# Allegro board pc065a_toplevel_43_allrouted.brd (continued)
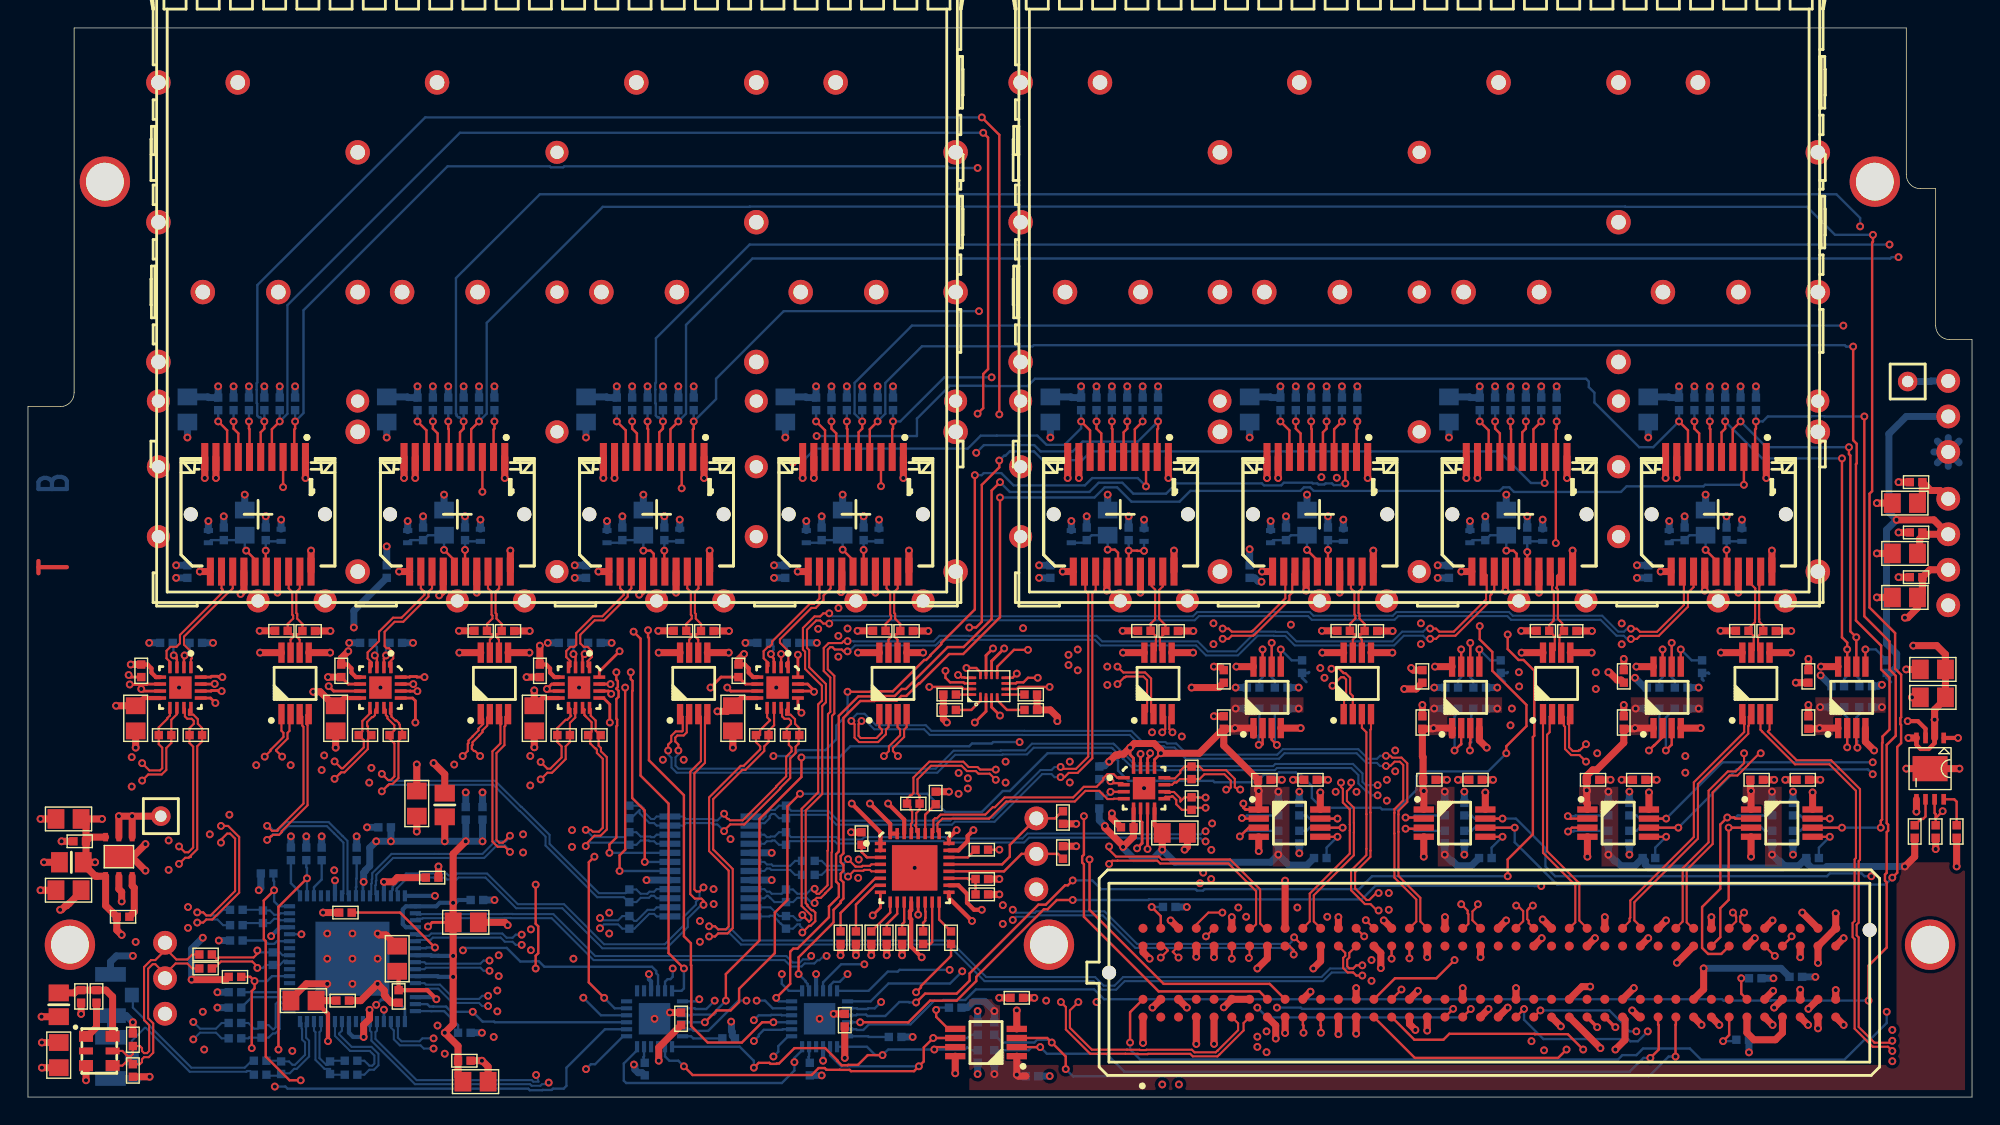
[diagram p0: board, top side]
## Routing (per net, layer and track width the routed paths; a pad name or vN(x,y) marks a point on that pad's centre or on a via; arc(x,y) is an arc through that point) (continued)
CLK_IN_P<1>: length 89.9
  TOP w0.15: v1(86.08,9.9) 86.08,10.8
  L3 w0.15: v1(87.9,3.59) 87.47,3.59 87.26,3.8 85.86,3.8 85.27,4.39 83.81,4.39 83.75,4.45 83.32,4.45 83.26,4.39 79.04,4.39 79.01,4.42 72.99,4.42 72.96,4.39 72.94,4.39 72.81,4.52 72.39,4.52 72.26,4.39 65.61,4.39 65.26,4.74 63.92,4.74 63.69,4.97 60.73,4.97 60.7,4.94 60.64,4.94 60.24,4.54 60.2,4.54 59.77,4.11 53.44,4.11 53.37,4.18 53.16,4.18 52.83,4.5 52.23,4.5 52.2,4.53 44.64,4.53 44.25,4.91 38.77,4.91 38.72,4.86 33.43,4.86 33.05,5.24 32.26,5.24 32.22,5.2 32.14,5.2 32.09,5.15 31.45,5.15 31.1,5.5 29.63,5.5 29.5,5.63 29.07,5.63 28.94,5.5 26.8,5.5 26.5,5.2 20.64,5.2 20.04,4.6 12.29,4.6 v1(11.82,4.13)
  L4 w0.15: v1(87.9,3.59) 87.47,3.59 87.26,3.8 86.84,3.8 86.51,4.13 86.51,9.47 v1(86.08,9.9)
  BOTTOM w0.15: v1(11.82,4.13) 12.3,4.61 13.44,4.61 13.85,4.2 C23.2
CLK_IN_P<2>: length 88.1
  TOP w0.15: v1(84.2,21.43) 83.72,21.43 83.7,21.45 R98.2 82.7,21.45 82.39,21.14 82.39,21.38 81.94,21.83 81.7,21.83 81.65,21.78 81.32,21.78 IC13.10 ; v1(12.1,12.48) 12.53,12.48 12.75,12.71 13.18,12.71 15.1,14.62 15.1,18.61 14.31,19.4 v1(13.8,19.4)
  L3 w0.15: v1(84.2,21.43) 83.72,21.43 83.5,21.21 72.87,21.21 72.65,21.44 72.55,21.44 72.53,21.46 71.79,21.46 71.74,21.41 71.56,21.41 71.01,20.86 62.12,20.86 61.72,20.46 54.18,20.46 53.52,21.12 49.42,21.12 48.72,20.42 24.64,20.42 24.61,20.45 16.92,20.45 15.51,19.04 13.95,19.04 13.8,19.19 v1(13.8,19.4)
  BOTTOM w0.15: v1(12.1,12.48) 12.53,12.48 12.75,12.71 13.54,12.71 13.95,12.3 C25.2
CLK_IN_P<3>: length 6.4
  BOTTOM w0.15: C27.2 24.05,2.6 24.41,2.25 24.62,2.25 24.77,2.39 24.77,2.97 24.44,3.3 23.03,3.3 21.95,4.38 IC3.59
CLK_INTR_B: length 40.4
  L4 w0.17: v1(17.65,0.75) 19.55,2.65 v1(19.55,11.65)
  BOTTOM w0.17: IC3.12 v1(19.55,11.65) ; v1(17.65,0.75) 18.41,0.75 18.56,0.6 35.77,0.6 35.88,0.49 36.77,0.49 36.79,0.51 37.45,0.51 37.54,0.6 38.3,0.6 38.5,0.8 38.5,2.1 41.25,4.85 IC23.2
CLK_LOL_B: length 15.6
  BOTTOM w0.17: IC23.3 33.38,5.35 33.33,5.4 32.5,5.4 v1(31.8,6.1) 30.27,6.1 29.89,6.48 28.98,6.48 28.98,6.48 28.72,6.48 28.55,6.65 IC3.47
CLK_MAIN_N<0>: length 20.8
  TOP w0.15: v1(17.1,18.4) 17.36,18.66 17.41,18.66 17.51,18.76 17.94,18.76 18.14,18.96 18.14,19.03 19.99,20.88 19.99,26.61 19.91,26.7 19.91,27.32 19.98,27.4 U3.4
  BOTTOM w0.15: v1(17.1,18.4) 17.5,18.8 18.01,18.8 18.6,19.39 21.38,19.39 21.89,18.87 22.55,18.21 22.55,14.56 22.45,14.45 IC3.23
CLK_MAIN_N<1>: length 23.3
  TOP w0.15: 34.33,27.4 34.14,27.21 34.14,26.58 34.07,26.51 34.07,25.18 33.5,24.61 33.5,18.4 33.7,18.2 33.96,18.2 v1(34.46,18.7)
  BOTTOM w0.15: IC3.27 24.55,14.5 24.55,15.26 24.59,15.3 24.59,15.58 24.61,15.61 24.61,16.03 25.99,17.4 29.04,17.4 29.39,17.4 32.5,17.4 33.39,18.29 34.15,18.29 34.3,18.44 34.3,18.54 v1(34.46,18.7)
CLK_MAIN_N<2>: length 41.7
  TOP w0.15: v1(48.3,15) 48.01,14.71 47.8,14.71 47.65,14.86 47.65,23.16 48.41,23.92 48.41,27.18 48.58,27.35 U5.4
  BOTTOM w0.15: v1(48.3,15) 48.02,14.72 48.02,14.24 47.76,13.98 47.76,13.77 46.88,12.9 46.88,12.29 45.54,10.94 41.19,10.94 38.32,13.8 35.02,13.8 32.83,15.99 30.66,15.99 30.52,15.86 30.08,15.86 29.95,15.98 29.14,15.98 29.13,15.99 27.03,15.99 26.27,15.23 26.27,15.23 26.07,15.03 26.07,14.9 26.07,14.9 26.07,14.8 25.95,14.69 IC3.30
CLK_MAIN_N<3>: length 55.3
  TOP w0.15: v1(62.2,24.4) 61.84,24.76 61.84,24.97 62.65,25.77 62.65,26.29 62.83,26.47 U6.4
  L4 w0.15: v1(56,10.1) 56.5,10.6 56.5,12.42 56.82,12.74 56.82,24.26 58.77,26.21 60.89,26.21 61.81,25.29 61.81,24.79 v1(62.2,24.4)
  BOTTOM w0.15: IC3.34 27.8,13.05 28.08,13.05 28.11,13.09 33.95,13.09 33.97,13.11 34.63,13.11 34.65,13.09 37.56,13.09 40.56,10.09 54.22,10.09 54.68,9.63 55.19,9.63 55.41,9.85 55.85,9.85 56,10 v1(56,10.1)
CLK_MAIN_N<4>: length 72
  TOP w0.15: 81.78,27.4 81.78,27.35 81.61,27.18 81.61,26.33 v1(81.83,26.1)
  L3 w0.15: v1(35.3,11.62) 35.58,11.62 35.72,11.48 38.65,11.48 39.54,10.6 47.82,10.6 47.83,10.59 48.26,10.59 48.26,10.6 55.2,10.6 56.15,11.55 70.34,11.55 72.03,13.25 72.05,13.25 72.2,13.4 76.63,13.4 79.13,15.9 83.64,15.9 83.75,16.02 83.99,16.02 v1(84.03,16.06)
  L4 w0.15: v1(81.83,26.1) 81.83,25.67 81.62,25.46 81.62,25.15 81.83,24.94 81.83,24.38 83.5,22.7 83.5,18.07 83.53,18.04 83.53,17.36 83.5,17.33 83.5,16.57 83.68,16.4 83.69,16.4 v1(84.03,16.06)
  BOTTOM w0.15: IC3.37 27.82,11.54 28.66,11.54 28.83,11.7 33.92,11.7 34.22,11.4 34.65,11.4 34.87,11.62 v1(35.3,11.62)
CLK_MAIN_N<5>: length 88
  TOP w0.15: U9.4 96.03,26.33 95.98,26.29 95.98,20.36 95.99,20.36 95.99,17.64 95.98,17.64 95.98,17.19 94.89,16.09 94.89,14.92 95.71,14.1 95.9,14.1 96.4,14.6 v1(96.57,14.6)
  L3 w0.15: v1(96.57,14.6) 96.2,14.6 91.62,10.03 91.56,10.03 91.08,9.54 91.08,9.48 90.72,9.12 90.72,8.89 90.41,8.59 89.98,8.59 89.35,7.95 78.35,7.95 78.33,7.97 68.25,7.97 67.77,8.46 59.56,8.46 59.35,8.26 35.84,8.26 34.6,9.5 33.55,9.5 33.28,9.77 v1(33,9.77)
  BOTTOM w0.15: v1(33,9.77) 32.57,9.77 32.35,9.54 28.45,9.54 28.35,9.65 IC3.41
CLK_MAIN_N<6>: length 111.1
  TOP w0.15: v1(111.4,25.25) 110.96,24.81 110.89,24.81 110.84,24.76 110.45,24.76 110.19,25.02 110.19,26.61 110.11,26.7 110.11,27.18 110.28,27.35 110.28,27.4
  L3 w0.15: v1(107.5,4) 107.5,3.52 107.35,3.37 107.14,3.37 105.03,5.47 100.49,5.47 100.39,5.58 99.7,5.58 99.64,5.52 99.54,5.62 98.86,5.62 98.71,5.47 92.81,5.47 92.4,5.89 83.65,5.89 83.2,5.44 73.2,5.44 73.2,5.45 65.87,5.45 65.65,5.67 65.53,5.67 65.48,5.72 64.72,5.72 64.24,6.21 60.66,6.21 60.31,6.56 59.58,6.56 59.37,6.76 57.95,6.76 57.94,6.78 57.26,6.78 57.25,6.76 55.96,6.76 55.57,6.37 50.43,6.37 50.42,6.36 47.77,6.36 47.75,6.34 47.19,6.34 46.79,6.75 46.79,6.79 46.59,6.98 46.52,6.98 46.49,6.96 41.82,6.96 41.42,6.56 38.84,6.56 38.44,6.96 33.46,6.96 33.18,7.24 v1(32.9,7.24)
  L4 w0.15: v1(111.4,25.25) 110.86,24.71 110.59,24.71 109.1,23.22 109.1,5.73 108.22,4.85 108.22,4.69 108.09,4.55 108.09,4.1 107.99,4 v1(107.5,4)
  BOTTOM w0.15: v1(32.9,7.24) 32.47,7.24 32.25,7.02 30.48,7.02 29.45,8.04 28.45,8.04 28.35,8.15 IC3.44
CLK_MAIN_N<7>: length 140
  TOP w0.15: U7.4 124.53,26.29 124.4,26.16 126.46,24.1 128.93,24.1 129.47,23.56 129.48,23.56 129.48,23.55 129.48,23.54 130.99,22.04 130.99,16.98 130.9,16.89 130.9,12.48 130.75,12.33 130.75,11.57 130.9,11.42 130.9,5.01 132.02,3.89 133.12,3.89 133.14,3.87 v1(133.3,4.03)
  L3 w0.15: v1(29,4.2) 29.19,4.01 31.73,4.01 31.98,3.76 45.58,3.76 45.78,3.56 51.63,3.56 51.69,3.5 52.12,3.5 52.18,3.56 52.79,3.56 52.96,3.73 60.06,3.73 60.26,3.92 62.9,3.92 63.04,3.79 63.55,3.79 64.53,2.81 65.77,2.81 65.96,3 71.94,3 72.11,2.83 74.54,2.83 74.81,2.56 87.04,2.56 87.44,2.16 110.11,2.16 110.16,2.21 130.27,2.21 131.97,3.91 133.19,3.91 v1(133.3,4.03)
  BOTTOM w0.15: IC3.50 26.45,4.25 26.71,3.99 27.99,3.99 28.2,4.2 v1(29,4.2)
CLK_MAIN_N<8>: length 72.3
  TOP w0.15: v1(82.27,9.98) 81.85,10.39 82.27,10.8
  L3 w0.15: v1(82.29,0.9) 82.29,0.91 81.54,1.67 81.41,1.67 81.23,1.85 79.01,1.85 78.19,1.04 74.31,1.04 74.24,0.96 73.81,0.96 73.79,0.99 72.84,0.99 72.79,1.04 38.12,1.04 37.63,1.52 37.48,1.52 37.45,1.55 37.04,1.55 37.03,1.55 36.36,1.55 v1(36.33,1.58)
  L4 w0.15: v1(82.27,9.98) 82.18,9.98 81.88,9.68 81.88,1.31 v1(82.29,0.9)
  BOTTOM w0.15: IC3.53 24.95,4.75 24.84,4.65 24.84,4.16 27.79,1.21 36.02,1.21 36.13,1.1 36.5,1.1 36.39,1.55 v1(36.33,1.58)
CLK_MAIN_P<0>: length 20.8
  TOP w0.15: v1(17.1,19.4) 17.45,19.05 17.82,19.05 17.85,19.08 17.85,19.15 19.7,21 19.7,26.49 19.61,26.58 19.61,27.21 U3.3
  BOTTOM w0.15: v1(17.1,19.4) 17.24,19.4 17.38,19.26 17.38,19.24 17.53,19.09 17.89,19.09 18.48,19.68 21.5,19.68 22.18,18.99 22.84,18.33 22.84,14.51 IC3.24
CLK_MAIN_P<1>: length 23.3
  TOP w0.15: v1(34.46,17.54) 34.09,17.91 34.08,17.91 33.58,17.91 33.21,18.28 33.21,24.73 33.78,25.3 33.78,26.63 33.84,26.7 33.84,27.2 33.67,27.37 U4.3
  BOTTOM w0.15: IC3.28 24.84,14.52 24.84,15.14 24.88,15.18 24.88,15.46 24.91,15.49 24.91,15.91 26.11,17.11 29.04,17.11 29.39,17.11 32.62,17.11 33.51,18 34.1,18 34.46,17.64 v1(34.46,17.54)
CLK_MAIN_P<2>: length 41.4
  TOP w0.15: 47.92,27.4 48.12,27.21 48.12,24.04 47.36,23.28 47.36,14.52 47.68,14.2 48.15,14.2 48.3,14.05 v1(48.3,13.75)
  BOTTOM w0.15: v1(48.3,13.75) 48.15,13.75 47.17,12.78 47.17,12.16 45.66,10.65 41.07,10.65 38.2,13.51 34.9,13.51 32.71,15.7 30.78,15.7 30.64,15.57 29.96,15.57 29.83,15.7 29.02,15.7 29.01,15.7 27.15,15.7 26.39,14.94 26.39,14.94 26.36,14.91 26.36,14.78 26.36,14.78 26.36,14.72 26.45,14.63 IC3.31
CLK_MAIN_P<3>: length 55.4
  TOP w0.15: v1(61.2,24.4) 61.55,24.76 61.55,25.09 62.35,25.89 62.35,26.29 62.17,26.47 U6.3
  L4 w0.15: v1(61.2,24.4) 61.5,24.7 61.5,25.16 60.76,25.9 58.9,25.9 57.13,24.13 57.13,12.61 56.81,12.29 56.81,10.39 v1(57.1,10.1)
  BOTTOM w0.15: v1(57.1,10.1) 56.9,10.1 56.59,9.79 56.45,9.79 56.22,9.56 55.53,9.56 55.31,9.34 54.56,9.34 54.1,9.8 40.44,9.8 37.44,12.8 34.53,12.8 34.51,12.82 34.09,12.82 34.07,12.8 28.23,12.8 28.2,12.77 27.82,12.77 IC3.35
CLK_MAIN_P<4>: length 72.6
  TOP w0.15: U10.3 81.31,27.21 81.31,26.31 v1(81.1,26.1)
  L3 w0.15: v1(35.3,10.89) 35.58,10.89 35.87,11.18 38.52,11.18 39.41,10.29 47.69,10.29 47.7,10.28 48.38,10.28 48.39,10.29 55.33,10.29 56.28,11.24 70.47,11.24 72.16,12.94 72.17,12.94 72.33,13.09 76.76,13.09 79.26,15.59 83.51,15.59 v1(83.8,15.3)
  L4 w0.15: v1(83.8,15.3) 83.19,15.91 83.19,17.46 83.22,17.49 83.22,17.91 83.19,17.94 83.19,22.57 81.52,24.25 81.52,24.81 81.31,25.02 81.31,25.46 81.1,25.67 v1(81.1,26.1)
  BOTTOM w0.15: v1(35.3,10.89) 34.87,10.89 34.65,11.11 34.1,11.11 33.8,11.41 28.95,11.41 28.78,11.25 28.11,11.25 28.1,11.24 28.09,11.24 28.08,11.25 27.8,11.25 IC3.38
CLK_MAIN_P<5>: length 88.3
  TOP w0.15: v1(96.57,13.35) 96.45,13.35 95.99,13.81 95.59,13.81 94.6,14.8 94.6,16.21 95.69,17.31 95.69,17.76 95.7,17.76 95.7,20.24 95.69,20.24 95.69,26.11 95.38,26.43 U9.3
  L3 w0.15: v1(96.57,13.35) 96.47,13.45 95.49,13.45 91.75,9.71 91.69,9.71 91.39,9.41 91.39,9.35 91.03,8.99 91.03,8.76 90.54,8.28 90.11,8.28 89.48,7.64 78.22,7.64 78.2,7.66 68.12,7.66 67.64,8.15 59.68,8.15 59.48,7.95 35.72,7.95 34.47,9.19 33.44,9.19 33.28,9.04 v1(33,9.04)
  BOTTOM w0.15: IC3.42 28.35,9.15 28.45,9.26 32.35,9.26 32.57,9.04 v1(33,9.04)
CLK_MAIN_P<6>: length 111.7
  TOP w0.15: U8.3 109.81,27.21 109.81,26.58 109.9,26.49 109.9,24.9 110.33,24.47 110.93,24.47 v1(111.4,24)
  L3 w0.15: v1(32.9,6.51) 33.04,6.65 38.31,6.65 38.71,6.25 41.55,6.25 41.95,6.65 46.45,6.65 47.07,6.03 47.88,6.03 47.89,6.05 50.55,6.05 50.56,6.06 55.7,6.06 56.09,6.45 57.38,6.45 57.39,6.47 57.81,6.47 57.82,6.45 59.24,6.45 59.45,6.25 60.18,6.25 60.53,5.9 64.11,5.9 64.6,5.41 65.35,5.41 65.4,5.36 65.52,5.36 65.74,5.14 73.07,5.14 73.07,5.13 83.33,5.13 83.78,5.58 92.27,5.58 92.68,5.16 98.84,5.16 98.99,5.32 99.41,5.32 99.56,5.16 99.73,5.16 99.83,5.27 100.26,5.27 100.36,5.16 104.91,5.16 107.12,2.95 107.48,2.95 107.53,2.9 107.95,2.9 v1(108.4,3.35)
  L4 w0.15: v1(111.4,24) 111,24.4 110.72,24.4 109.41,23.09 109.41,5.6 108.53,4.72 108.53,4.56 108.4,4.43 v1(108.4,3.35)
  BOTTOM w0.15: IC3.45 28.35,7.65 28.45,7.76 29.33,7.76 30.36,6.73 32.25,6.73 32.47,6.51 v1(32.9,6.51)
CLK_MAIN_P<7>: length 141.3
  TOP w0.15: U7.3 123.88,26.29 123.99,26.17 123.99,26.16 126.34,23.81 128.81,23.81 130.7,21.92 130.7,17.1 130.61,17.01 130.61,12.6 130.46,12.45 130.46,11.45 130.61,11.3 130.61,4.89 131.9,3.6 133,3.6 v1(133.3,3.29)
  L3 w0.15: v1(133.3,3.29) 133,3.6 132.1,3.6 130.4,1.9 110.29,1.9 110.24,1.85 87.31,1.85 86.92,2.25 74.68,2.25 74.41,2.52 71.98,2.52 71.81,2.69 66.09,2.69 65.9,2.5 64.4,2.5 63.42,3.48 62.91,3.48 62.77,3.61 60.39,3.61 60.19,3.42 53.09,3.42 52.92,3.25 52.31,3.25 52.28,3.22 52.28,3.22 52.25,3.19 51.56,3.19 51.53,3.22 51.51,3.22 51.49,3.25 45.65,3.25 45.45,3.45 31.85,3.45 31.6,3.7 29.23,3.7 v1(29,3.47)
  BOTTOM w0.15: IC3.51 25.95,4.97 26.16,4.76 26.16,4.13 26.59,3.7 28.07,3.7 28.3,3.47 v1(29,3.47)
CLK_MAIN_P<8>: length 71.5
  TOP w0.15: v1(81,9.98) 81.48,10.47 81.48,10.51 81.19,10.8 81,10.8
  L3 w0.15: v1(81.1,0.9) 81.1,1.39 80.95,1.54 79.14,1.54 78.32,0.72 74.44,0.72 74.37,0.65 73.68,0.65 73.66,0.68 72.71,0.68 72.66,0.72 37.54,0.72 v1(37.23,1.03)
  L4 w0.15: v1(81,9.98) 81.32,9.98 81.57,9.73 81.57,1.37 v1(81.1,0.9)
  BOTTOM w0.15: IC3.54 24.45,4.75 24.55,4.65 24.55,4.03 27.67,0.92 35.9,0.92 36.01,0.81 36.64,0.81 36.75,0.92 37.16,0.92 v1(37.23,1.03)
CLK_RST_B: length 38
  TOP w0.17: v1(16,3.5) 16,7.58 16.2,7.78 v1(16.2,8.3) 15.9,8.6 R9.2
  L3 w0.17: v1(39.9,2) 39.55,2.35 39.44,2.35 39.38,2.4 36.72,2.4 36.69,2.44 35.98,2.44 35.94,2.4 34.67,2.4 33.92,1.66 19.79,1.66 19.72,1.72 19.28,1.72 19.21,1.66 17.35,1.66 16,3.01 v1(16,3.5)
  BOTTOM w0.17: v1(16.2,8.3) 17.1,8.3 17.45,8.65 IC3.6 ; IC23.1 42.55,4.35 40.55,2.35 40.25,2.35 v1(39.9,2)
CLK_SI_N<0>: length 5.7
  BOTTOM w0.15: IC3.64 19.57,5.29 19.57,4.9 19.6,4.87 19.6,4.12 19.81,3.91 19.81,3.02 19.1,2.31 18.91,2.31 18.66,2.55 R13.2 18.05,2.6 C22.1
CLK_SI_N<1>: length 5.8
  BOTTOM w0.15: C24.1 15.75,5.3 16.16,4.9 16.45,4.9 R14.2 17.2,5.15 17.51,4.85 17.56,4.85 17.71,5 17.71,6.66 17.86,6.81 18.07,6.81 18.32,6.56 18.61,6.56 IC3.2
CLK_SI_N<2>: length 3.5
  BOTTOM w0.15: IC3.15 18.05,13.15 17.95,13.04 17.61,13.04 17.3,13.35 R15.2 16.75,13.4 C26.1
CLK_SI_N<3>: length 5.5
  BOTTOM w0.15: IC3.62 20.45,4.75 20.55,4.65 20.55,2.66 21.2,2.02 21.6,2.02 R16.2 21.65,1.6 C28.1
CLK_SI_P<0>: length 6.3
  BOTTOM w0.15: C21.1 17.12,1.53 17.98,1.53 R13.1 18.15,1.7 18.71,1.7 19.03,2.02 19.22,2.02 20.1,2.9 20.1,4.03 19.89,4.24 19.89,4.99 19.86,5.02 19.86,5.31 IC3.63
CLK_SI_P<1>: length 5.5
  BOTTOM w0.15: C23.1 15.75,4.2 15.82,4.26 15.83,4.25 R14.1 17.2,4.25 17.51,4.56 17.68,4.56 18,4.87 18,6.47 18.2,6.27 18.59,6.27 IC3.1
CLK_SI_P<2>: length 3.6
  BOTTOM w0.15: C25.1 15.5,12.45 R15.1 17.3,12.45 17.61,12.76 17.95,12.76 18.05,12.65 IC3.14
CLK_SI_P<3>: length 4.8
  BOTTOM w0.15: IC3.61 20.95,4.75 20.84,4.65 20.84,2.78 21.32,2.3 21.42,2.3 21.57,2.46 21.57,2.52 R16.1 21.65,2.6 C27.1
FMC_LA_N<2>: length 98.7
  TOP w0.15: v1(18.17,24.36) 17.74,24.79 17.74,24.82 18.56,25.64 18.56,26.06 18.7,26.2 18.7,27.33 U3.2 ; v1(77.3,17.93) 77.3,17.7 77.79,17.2 80.87,17.2 81.07,17 85.96,17 88.1,14.86 88.1,12.42 88.44,12.08 J10.H8
  L3 w0.15: v1(74.4,30.92) 73.97,30.92 73.76,31.13 67.4,31.13 67.31,31.22 66.89,31.22 66.8,31.13 65.06,31.13 64.66,30.72 58.99,30.72 58.94,30.67 58.09,30.67 58.06,30.64 57.37,30.64 57.29,30.72 54.33,30.72 54.19,30.58 53.51,30.58 53.37,30.72 44.97,30.72 44.57,31.12 42.69,31.12 42.64,31.08 41.96,31.08 41.91,31.12 40.96,31.12 40.71,30.88 37.69,30.88 37.44,31.12 36.38,31.12 36.21,30.95 35.5,30.95 35.33,31.12 31.7,31.12 31.24,30.66 27.44,30.66 27.39,30.71 20.81,30.71 17.78,27.68 17.78,24.75 v1(18.17,24.36)
  L4 w0.15: v1(77.3,17.93) 77.3,17.73 77.1,17.53 76.75,17.53 76.37,17.92 76.37,20.73 76.6,20.96 76.6,27.3 73.32,30.58 73.32,30.98 73.47,31.13 73.76,31.13 73.97,30.92 v1(74.4,30.92)
FMC_LA_N<3>: length 102
  TOP w0.15: IC4.9 10.15,27.3 9.96,27.11 9.96,27.06 9.35,26.45 R61.1 9.35,25.25 9.6,25 9.6,23.53 9.44,23.37 8.68,23.37 v1(8.16,23.89) ; v1(90.53,11.43) 91.16,10.8
  L3 w0.15: v1(67.2,22.81) 66.92,22.81 66.71,22.6 66.27,22.6 66.07,22.8 49.7,22.8 48.04,21.14 32.8,21.14 32.76,21.1 16.61,21.1 14.31,23.4 8.65,23.4 v1(8.16,23.89)
  L4 w0.15: v1(67.2,22.81) 67.63,22.81 67.84,22.6 68.24,22.6 68.91,21.93 68.91,13.86 69.03,13.74 69.03,13.68 69.49,13.22 70.2,13.22 70.21,13.23 70.23,13.23 v1(70.41,13.4)
  BOTTOM w0.15: v1(90.53,11.43) 90.5,11.43 90.35,11.28 90.35,11.11 90.2,10.96 79.3,10.96 76.97,13.29 72.1,13.29 72,13.19 70.63,13.19 70.51,13.31 70.51,13.31 v1(70.41,13.4)
FMC_LA_N<4>: length 84.7
  TOP w0.15: 33.02,27.4 32.89,27.26 32.89,27.2 32.84,27.15 32.84,26.58 32.5,26.24 32.5,26.11 32.26,25.88 32.26,25.86 31.79,25.39 31.79,25.2 31.74,25.15 31.74,24.91 31.89,24.76 31.97,24.76 v1(32.33,24.4) ; v1(94.61,22.5) 94.61,22.19 94.31,21.89 94.31,21.2 94.8,20.7 94.8,19.61 94.81,19.61 94.81,18.94 94.8,18.94 94.8,17.3 91.94,14.44 91.94,12.57 J10.H11
  L3 w0.15: v1(94.61,22.5) 94.61,22.93 94.4,23.14 94.4,23.54 94.07,23.87 93.73,23.87 93.31,24.29 87.59,24.29 87.47,24.4 85.1,24.4 82.58,26.92 79.72,26.92 78.78,25.98 73.39,25.98 72.22,24.83 69.56,24.83 69.53,24.8 68.1,24.8 67.7,24.4 66.58,24.4 65.98,23.8 55.53,23.8 55.51,23.79 48.98,23.79 47.7,22.5 37.9,22.5 37.18,21.78 33.87,21.78 31.93,23.72 31.93,24 v1(32.33,24.4)
FMC_LA_N<6>: length 26.6
  TOP w0.17: v1(92.45,4.6) 92.45,5.12 92.42,5.14 92.42,5.73 ; v1(86.8,19.97) 86.84,19.93 IC12.2
  L3 w0.17: v1(87.1,12.9) v1(92.9,12.9)
  L4 w0.17: v1(92.45,4.6) 92.45,5.09 92.55,5.2 92.55,12.55 v1(92.9,12.9) ; v1(86.8,19.97) 86.8,19.3 87.1,19 87.1,18.94 87.18,18.87 87.18,18.43 87.1,18.35 v1(87.1,12.9)
  BOTTOM w0.17: v1(86.8,19.97) 86.97,19.97 87.15,20.15 R137.1
FMC_LA_N<7>: length 71.3
  TOP w0.15: v1(46.5,24.79) 46.5,25.22 46.28,25.44 46.28,25.72 46.43,25.87 46.88,25.87 47.1,26.09 47.1,27.23 U5.2 ; J10.H14 v1(95.66,12.66)
  L4 w0.15: v1(96.5,22.32) 96.78,22.32 97,22.1 97.44,22.1 97.98,21.55 97.98,20.87 97.89,20.78 97.89,19.05 96.7,17.86 96.7,16.7 95.19,15.19 95.19,14.29 94.83,13.93 94.83,12.44 94.98,12.29 95.22,12.29 v1(95.66,12.66)
  BOTTOM w0.15: v1(46.5,24.79) 46.5,24.51 46.3,24.31 46.3,23.7 46.5,23.5 64.9,23.5 66.18,24.78 69.54,24.78 69.57,24.8 71.31,24.8 71.78,25.29 77.61,25.29 77.67,25.23 77.68,25.23 78.42,24.48 78.45,24.48 79.26,23.68 89.03,23.68 89.18,23.84 94.74,23.84 95.42,23.16 95.42,22.56 95.65,22.32 v1(96.5,22.32)
FMC_LA_N<8>: length 72.3
  TOP w0.15: 94.97,10.8 94.47,10.32 94.47,9.98 94.32,9.83 94.32,9.35 94.47,9.2 94.76,9.2 94.98,9.42 v1(95.4,9.42) ; IC7.9 52.85,27.18 53.06,26.97 53.06,26.97 52.35,26.26 52.35,25.9 R73.1 52.05,25.4 52.35,25.09 52.35,24.88 51.17,23.7 50.96,23.7 48.7,21.44 48.7,17.6 50.1,16.2 50.1,12.2 49.9,12 49.35,12 49.13,12.22 v1(48.7,12.22)
  BOTTOM w0.15: v1(48.7,12.22) 49.13,12.22 49.35,12 50.3,12 51.1,11.2 65.9,11.2 68.51,8.59 76.3,8.59 76.92,7.97 77.68,7.97 78.3,8.59 92.48,8.59 93.1,9.2 94.75,9.2 94.98,9.42 v1(95.4,9.42)
FMC_LA_N<9>: length 25
  TOP w0.17: v1(102,24.8) 102.47,25.27 ; 102.47,25.27 102.47,25.23 ; 102.47,25.27 IC18.2 ; J10.D15 v1(98.2,7.7)
  L4 w0.17: v1(102,24.8) 100.4,23.2 100.4,10.39 100.57,10.22 100.57,9.79 100.4,9.62 100.4,9.5 98.94,8.04 98.55,8.04 v1(98.2,7.7)
  BOTTOM w0.17: v1(102,24.8) 102,27.24 102.25,27.49 R162.1
FMC_LA_N<10>: length 36.7
  TOP w0.17: 97.5,5.73 99.13,4.1 101.2,4.1 101.63,4.53 107.72,4.53 107.74,4.5 110.1,4.5 v1(111.2,3.4) ; v1(110.1,20.1) 110.28,19.93 IC15.2
  L4 w0.17: v1(111.2,3.4) 110.83,3.77 110.83,8.01 110.95,8.13 110.95,19.25 v1(110.1,20.1)
  BOTTOM w0.17: R147.1 110.65,20.15 110.6,20.1 v1(110.1,20.1)
FMC_LA_N<11>: length 60.3
  TOP w0.15: U6.2 61.52,26.47 61.34,26.29 61.34,25.96 60.78,25.4 59.42,25.4 59.1,25.72 59.1,26.68 v1(58.87,26.91) ; v1(97.1,24.42) 97.41,24.42 97.54,24.29 98.21,24.29 98.62,23.88 98.62,21.11 97.99,20.48 97.99,20.22 97.98,20.21 97.98,18.99 97.99,18.98 97.99,15.82 99.56,14.26 99.56,12.57 J10.H17
  BOTTOM w0.15: v1(97.1,24.42) 96.67,24.42 96.45,24.2 95.81,24.2 95.12,24.89 89.72,24.89 89.33,24.5 82.9,24.5 82.1,25.3 81.44,25.3 81.33,25.41 80.57,25.41 80.57,25.41 79.69,25.41 78.9,26.2 71.24,26.2 71.23,26.2 64.59,26.2 64.19,26.61 60.63,26.61 59.81,27.42 59.28,27.42 58.87,27.02 v1(58.87,26.91)
FMC_LA_N<12>: length 15.6
  TOP w0.17: v1(98.5,20) 99.72,20 IC14.2 ; 98.78,10.8 v1(98.78,9.93)
  L4 w0.17: v1(98.5,20) 99.12,19.38 99.12,10.27 v1(98.78,9.93)
  BOTTOM w0.17: R142.1 99.14,20.15 98.99,20 v1(98.5,20)
FMC_LA_N<14>: length 40
  TOP w0.17: 88.28,25.27 88.2,25.2 v1(88,25.2) ; 88.28,25.27 88.28,26.4 ; 88.28,25.27 88.28,25.23 ; J10.C19 v1(103.16,6.3)
  L4 w0.17: v1(88,25.2) 88.53,24.68 88.53,7.03 v1(87.9,6.4)
  BOTTOM w0.17: v1(103.16,6.3) 102.56,5.7 88.6,5.7 v1(87.9,6.4) ; v1(88,25.2) 88,25.86 88.05,25.91 R157.1
FMC_LA_N<15>: length 53.8
  TOP w0.15: v1(77.9,30.8) 78.32,30.38 79.87,30.38 80.31,29.95 80.31,27.57 U10.2 ; v1(103.67,13.8) 103.67,13.67 103.28,13.28 103.28,12.65 103.86,12.08
  L3 w0.15: v1(106.1,27.8) 106.1,27.5 105.86,27.26 103.35,27.26 103.31,27.27 100.31,27.27 100.29,27.29 99.21,27.29 98.09,28.41 93.29,28.41 91.46,30.23 78.46,30.23 v1(77.9,30.8)
  L4 w0.15: v1(106.1,27.8) 106.4,27.5 106.4,27.39 107.21,26.58 107.21,23.61 105.05,21.45 105.05,21.45 104.76,21.16 104.76,16.35 103.3,14.89 103.3,14.17 v1(103.67,13.8)
FMC_LA_N<18>: length 36.2
  TOP w0.17: v1(115.9,24.8) 116.27,25.17 116.29,25.17 116.88,25.75 IC19.2 ; v1(108.14,6.2) J10.C23
  L4 w0.17: v1(115,4.7) 115,5.19 118.53,8.72 118.53,20.48 117.1,21.9 117.1,23.6 v1(115.9,24.8)
  BOTTOM w0.17: v1(115.9,24.8) 116.65,25.55 R167.1 ; v1(115,4.7) 114.51,4.7 114.05,5.16 114.05,5.23 113.73,5.55 113.72,5.55 113.07,6.2 v1(108.14,6.2)
FMC_LA_N<19>: length 38.5
  TOP w0.15: 107.67,12.08 107.3,12.44 107.3,12.62 107.2,12.73 107.2,13.36 107.3,13.46 107.3,13.5 107.5,13.7 v1(107.6,13.7) ; U9.2 94.72,28.7 94.53,28.89 94.53,30 94.21,30.33 94.09,30.33 94.04,30.38 94.02,30.38 93.75,30.65 v1(93.2,30.65)
  L3 w0.15: v1(106.6,30.4) 106.04,30.4 106.03,30.4 100.93,30.4 100.81,30.29 100.39,30.29 100.27,30.4 99.47,30.4 99.15,30.09 93.62,30.09 93.21,30.46 v1(93.2,30.65)
  L4 w0.15: v1(107.6,13.7) 107.3,13.7 107.14,13.86 107.14,22.14 107.88,22.88 107.88,29.68 107.4,30.16 107.4,30.16 107.16,30.4 v1(106.6,30.4)
FMC_LA_N<21>: length 16.7
  TOP w0.15: U8.2 108.8,27.23 108.8,26.11 108.61,25.93 108.61,17.6 110.92,15.29 110.92,12.63 111.47,12.08
FMC_LA_N<24>: length 19
  TOP w0.15: U7.2 123.03,27.21 123.03,26.58 123,26.54 123,26 119.4,22.4 119.4,18.49 114.86,13.95 114.86,12.64 115.28,12.21 115.28,12.08
FMC_LA_N<27>: length 75.8
  TOP w0.17: v1(70.7,30.3) 70.4,30 IC21.8
  TOP w0.254: J10.C27 113.47,5 v1(113.5,5)
  L3 w0.17: v1(70.7,30.3) 71.76,30.3 71.98,30.52 72.42,30.52 72.54,30.4 72.93,30.01 75.28,30.01 76,30.73 76,31.6 77.1,32.7 80.9,32.7 81.1,32.5 83.93,32.5 84.54,31.88 87.11,31.88 87.5,31.5 91.3,31.5 92.4,32.6 98.66,32.6 99.38,31.88 100.09,31.88 101.23,33.02 105.13,33.02 105.58,32.58 109.92,32.58 v1(112.1,30.39)
  L4 w0.2: v1(113.5,5) 113.12,5.38 113.12,5.62 114.25,6.75 114.25,14.99 112.4,16.84 112.4,23.36 113.22,24.18 113.22,29.42 112.47,30.16 112.33,30.16 v1(112.1,30.39)
FMC_LA_N<28>: length 128.5
  TOP w0.15: v1(21.92,24.02) 22.41,23.53 22.52,23.53 24.01,25.02 24.01,25.54 R65.1 23.91,26.16 23.91,26.91 24.48,27.48 24.52,27.48 24.52,27.58 24.46,27.63 24.46,27.64 24.45,27.65 IC5.9 ; 119.09,12.08 119.03,12.08 118.6,12.5 118.6,16.25 120.45,18.11 120.45,21.8 121.66,23.01 122.23,23.01 122.99,23.77 122.99,23.79 123.8,24.6 v1(123.89,24.6)
  L3 w0.15: v1(123.89,24.6) 123.29,25.2 123.29,25.62 122.96,25.95 119.91,25.95 119.82,25.86 119.38,25.86 119.29,25.95 116.52,25.95 116.36,25.79 113.41,25.79 112.89,26.3 109.97,26.3 109.52,25.85 104.88,25.85 104.63,26.1 101.96,26.1 101.67,25.81 99.29,25.81 97.82,27.29 86.13,27.29 86.12,27.3 85.91,27.3 85.13,28.08 85.12,28.08 84.75,28.45 47.55,28.45 47.1,28 27,28 22.57,23.57 22.37,23.57 v1(21.92,24.02)
FMC_LA_N<30>: length 107.8
  TOP w0.15: v1(122.7,13.2) 122.43,12.93 122.43,12.55 122.91,12.08 ; IC6.9 38.71,27.85 38.79,27.77 38.79,27.33 38.84,27.28 38.56,27 38.45,27 37.85,26.4 R69.1 37.85,25.4 38.16,25.09 38.16,24.3 37.35,23.5 37.14,23.5 v1(36.66,23.97)
  L3 w0.15: v1(118.5,24.4) 118.25,24.15 118.04,24.15 117.95,24.06 112.26,24.06 111.5,23.3 110.33,23.3 109.63,24 102.65,24 102.4,24.25 99.55,24.25 97.92,25.88 90.79,25.88 90.65,26.02 88.35,26.02 88.34,26.02 86.65,26.02 86.51,25.88 86.09,25.88 85.95,26.02 84.97,26.02 83.28,27.72 73.95,27.72 73.94,27.73 73.26,27.73 71.83,26.3 68.43,26.3 67.83,25.7 54.1,25.7 53.77,26.03 53.58,26.03 49.15,26.08 44.58,26.08 42.09,23.59 37.05,23.59 v1(36.66,23.97)
  L4 w0.15: v1(118.5,24.4) 118.86,24.04 119.13,24.04 119.16,24.01 120.17,24.01 122.45,21.73 122.45,13.87 122.7,13.63 v1(122.7,13.2)
FMC_LA_N<31>: length 17.4
  TOP w0.17: 121.64,10.8 121.07,10.24 120.13,10.24 119.7,10.67 119.7,13.6 121,14.9 121,19.5 v1(121.5,20) 121.99,20 122.07,19.93 IC16.2
  BOTTOM w0.17: R152.1 122.25,20.15 122.1,20 v1(121.5,20)
FMC_LA_N<33>: length 20.6
  TOP w0.17: IC20.2 v1(130.07,25.02) ; J10.G37 126.1,11.46 v1(126.1,11.5)
  L4 w0.17: v1(130.07,25.02) 130.07,19.64 130.22,19.49 130.22,15.62 v1(126.1,11.5)
  BOTTOM w0.17: v1(130.07,25.02) 130.07,27.16 129.85,27.39 R172.1
FMC_LA_P<1>: length 36.6
  TOP w0.17: J10.D8 88.05,7.56 80.84,7.56 75.5,12.9 75.5,16.66 75.38,16.78 75.38,17.22 75.5,17.34 v1(75.5,20.1) ; IC21.7 70.64,29.6 70.71,29.67 71.17,29.67 71.5,30 v1(72.2,30)
  L4 w0.17: v1(75.5,20.1) 75.5,26.1 72.2,29.4 v1(72.2,30)
FMC_LA_P<2>: length 99.6
  TOP w0.15: v1(16.93,24.36) 17.34,24.77 17.34,24.84 18.27,25.76 18.27,26.06 18.12,26.2 18.12,27.4 ; J10.H7 87.52,12.08 87.81,12.37 87.81,14.74 85.84,16.71 80.95,16.71 80.75,16.91 77.91,16.91 77.9,16.91 77.53,16.91 v1(77.3,16.68)
  L3 w0.15: v1(16.93,24.36) 17.42,24.85 17.47,25.86 17.47,27.81 20.68,31.02 27.52,31.02 27.57,30.97 31.11,30.97 31.57,31.44 35.46,31.44 35.63,31.26 36.08,31.26 36.25,31.44 37.56,31.44 37.81,31.19 40.59,31.19 40.84,31.44 42.04,31.44 42.09,31.38 42.51,31.38 42.56,31.44 44.7,31.44 45.1,31.03 53.5,31.03 53.64,30.89 54.06,30.89 54.2,31.03 57.42,31.03 57.5,30.95 57.93,30.95 57.97,30.98 58.81,30.98 58.86,31.03 64.53,31.03 64.94,31.44 66.67,31.44 66.76,31.52 67.44,31.52 67.53,31.44 73.76,31.44 73.97,31.65 v1(74.4,31.65)
  L4 w0.15: v1(74.4,31.65) 73.97,31.65 73.76,31.44 73.34,31.44 73.01,31.1 73.01,30.45 76.29,27.17 76.29,21.09 76.06,20.86 76.06,17.79 76.62,17.22 77.15,17.22 77.3,17.07 v1(77.3,16.68)
FMC_LA_P<3>: length 102.5